# Altium PCB roach2.PcbDoc (part 30 of 39) (continued)
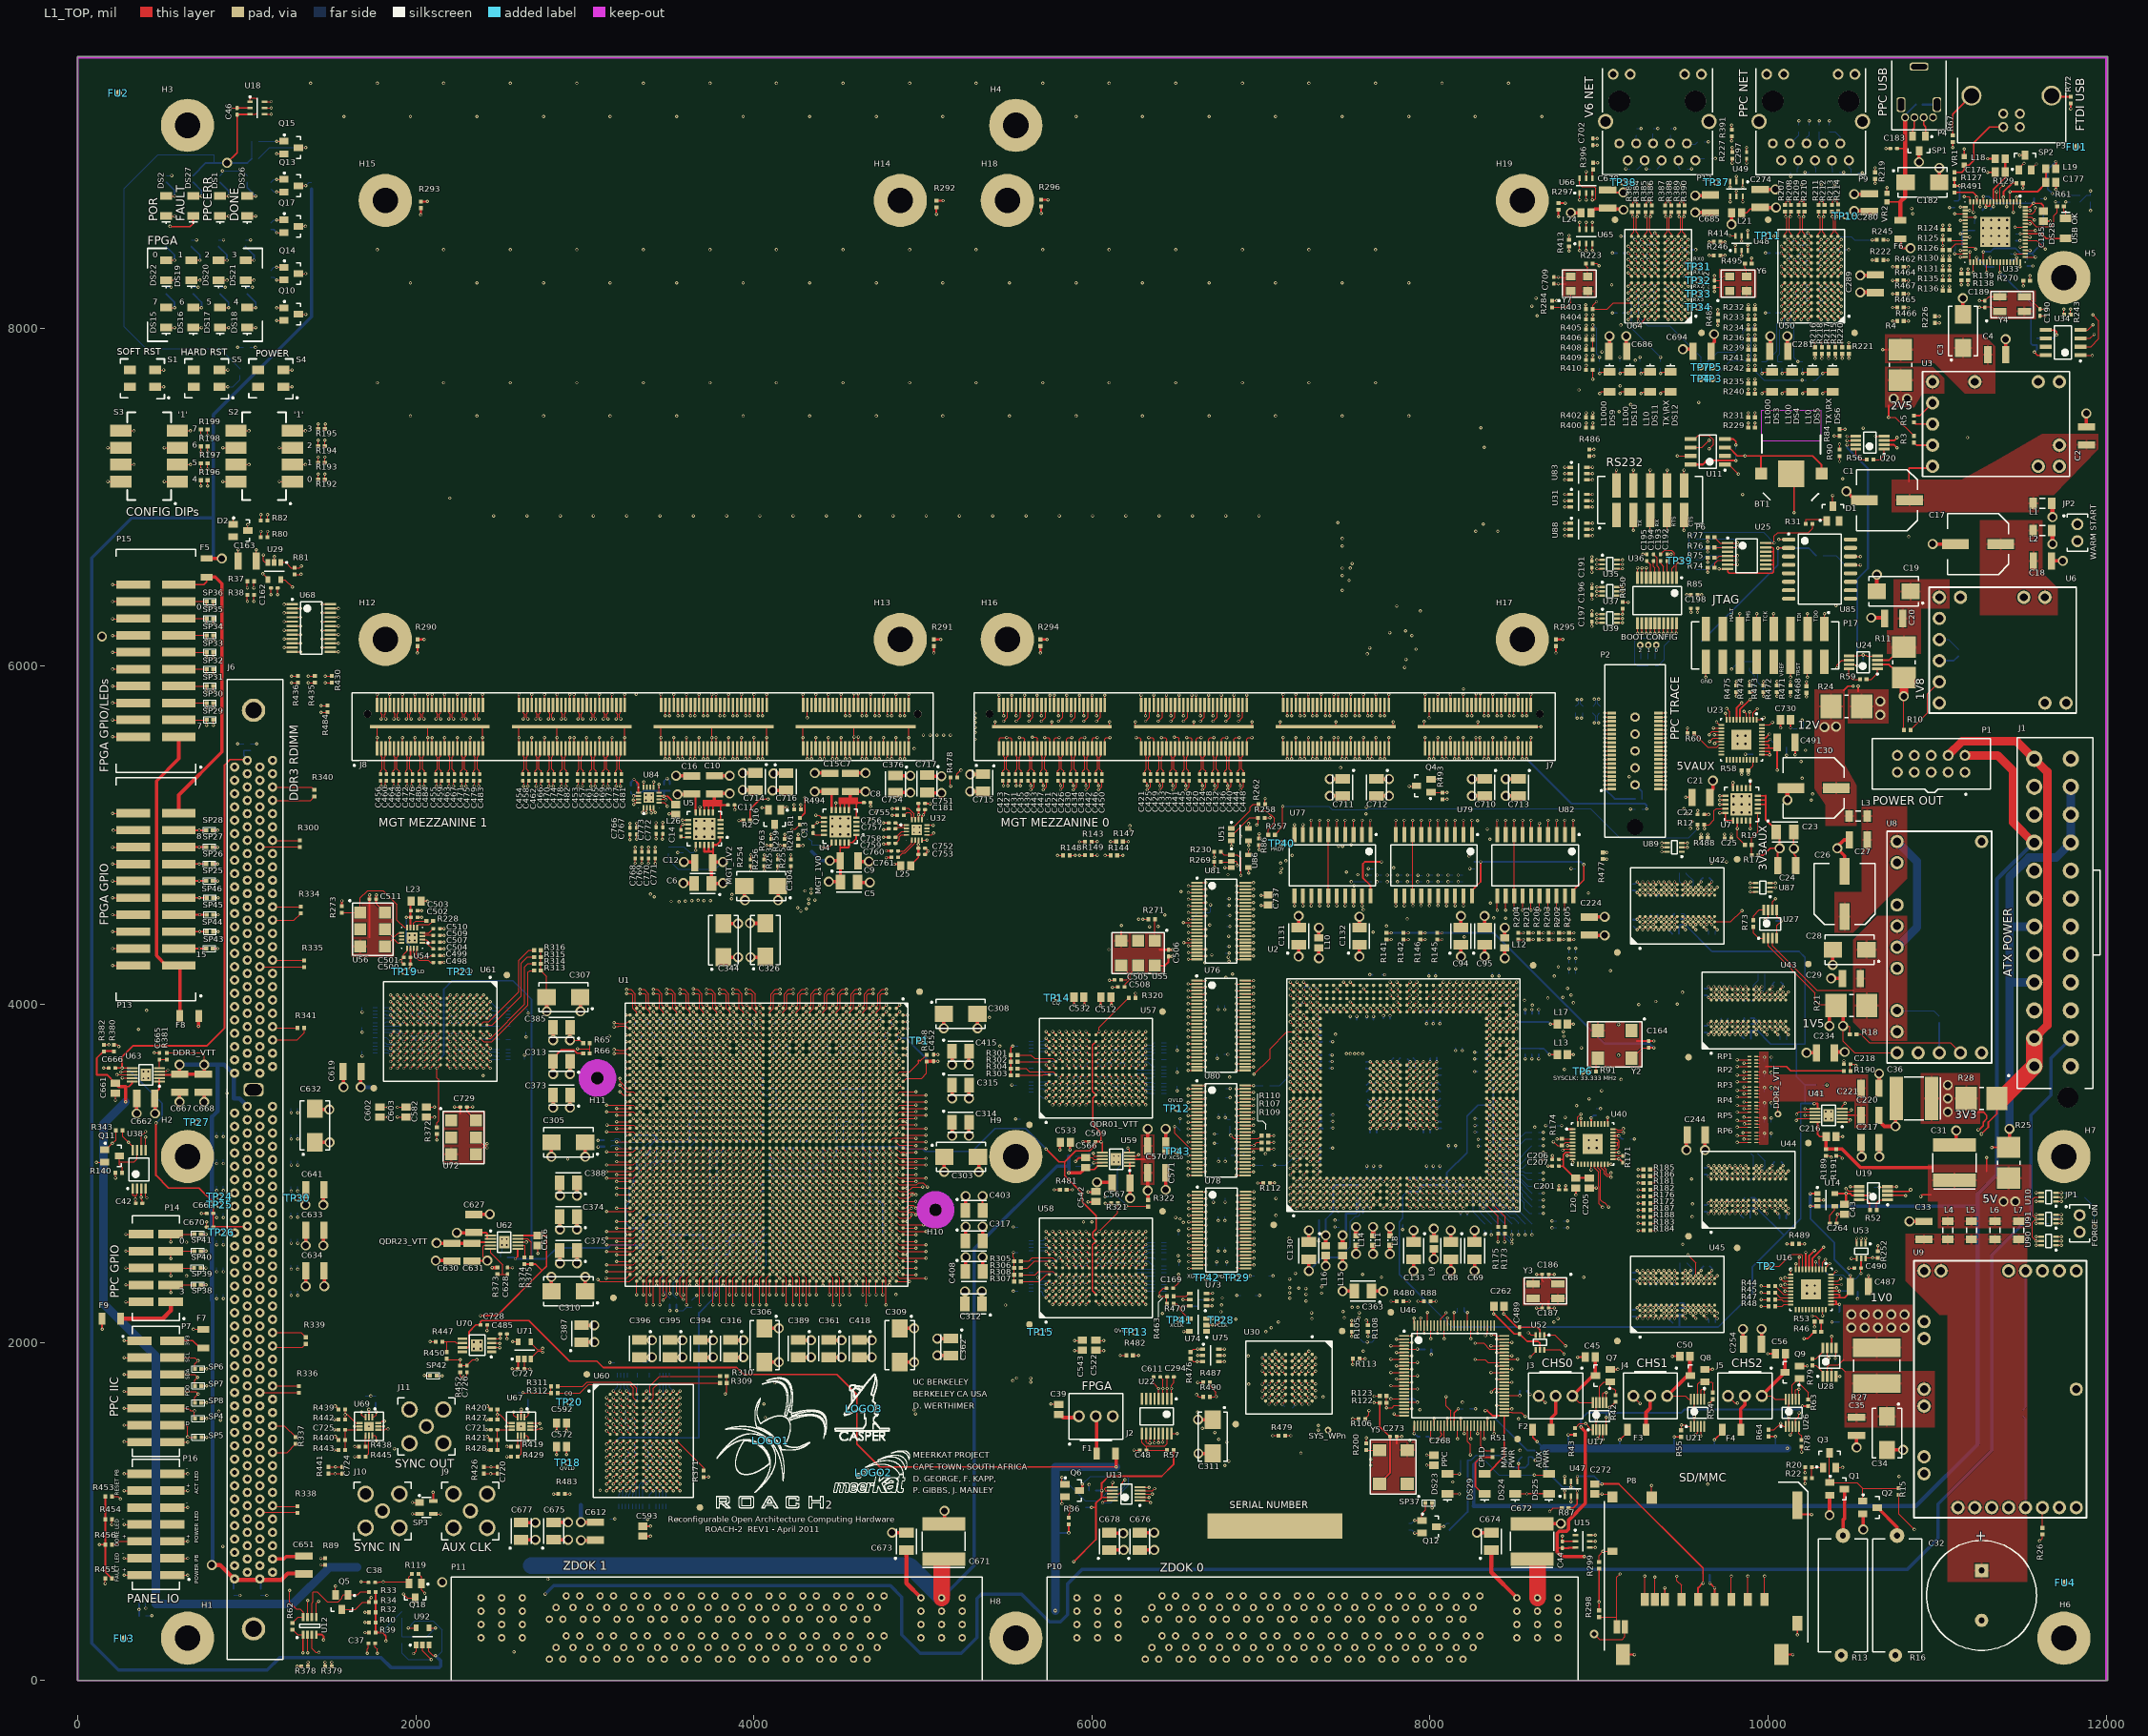
[diagram p0: L1_TOP view]
## Nets (pads, with @x,y where several pads share a name; then routed paths per layer and width w, separated by ;. In a path a pad name is that pad's centre, name@x,y a point inside that pad or via, vN(x,y) a via of type N, cw(c..) or ccw(c..) an arc to the next point about the centre after c; other vN are vias at no path point) (continued)
QDR2.Q0: U1.AA40 U60.P11 | length 1541.9
  L1_TOP w5: U60.P11@3543.31,1181.1 v1(3562.99,1161.42) ; U1.AA40@4093.59,2439.41 v1(4113.28,2419.72)
  L8_R w3.8: v1(3562.99,1161.42) 3902.56,1500.99 3902.56,1690.56 4112.56,1900.56 4112.56,2419.01 v1(4113.28,2419.72)
QDR2.Q1: U1.AE33 U60.M10 | length 1995.9
  L1_TOP w5: U60.M10@3503.94,1259.84 v1(3523.62,1240.16) ; v1(3916.42,2695.31) U1.AE33@3936.11,2715
  L9_R w3.8: v1(3523.62,1240.16) 3544,1260.53 3544,1284 3555.13,1295.13 3673.13,1295.13 3870,1492 4026.06,1492 4096,1561.94 4096,1674 3973.42,1796.58 3973.42,2027.67 3936,2065.09 3936,2236 3951.71,2251.71 3951.71,2288.39 3932.02,2308.08 3932.02,2679.71 v1(3916.42,2695.31)
QDR2.Q2: U1.AE32 U60.L11 | length 2003.4
  L1_TOP w5: U60.L11@3543.31,1299.21 v1(3562.99,1279.53) ; v1(3916.42,2734.68) U1.AE32@3936.11,2754.37
  L9_R w3.8: v1(3562.99,1279.53) 3701.53,1279.53 3868,1446 4024,1446 4126,1548 4126,1696 3981.22,1840.78 3981.22,2030.9 3971.39,2040.72 3971.39,2229.34 3959.51,2241.22 3959.51,2291.62 3940.19,2310.94 3940.19,2710.91 v1(3916.42,2734.68)
QDR2.Q3: U1.AC40 U60.K11 | length 1402.5
  L1_TOP w5: U60.K11@3543.31,1338.58 v1(3562.99,1318.9) ; v1(3995.16,2419.72) U1.AC40@4014.85,2439.41
  L8_R w3.8: v1(3562.99,1318.9) 3578.9,1318.9 3788.99,1528.99 3788.99,1729.99 3873.99,1814.99 3873.99,1931.99 3906.99,1964.99 3974.99,1964.99 3983.99,1973.99 3983.99,2211.98 3979.56,2216.41 3979.56,2229.34 3999.99,2249.76 3999.99,2318.75 3991.45,2327.29 3991.45,2346.68 3999.99,2355.22 3999.99,2407.47 3991.45,2416.01 v1(3995.16,2419.72)
QDR2.Q4: U1.AC34 U60.J10 | length 1620.6
  L1_TOP w5: U60.J10@3503.94,1377.95 v1(3523.62,1358.27) ; v1(3995.16,2655.94) U1.AC34@4014.85,2675.63
  L8_R w3.8: v1(3523.62,1358.27) 3539.35,1373.99 3594.99,1373.99 3760.99,1539.99 3760.99,1559.99 ; 3760.99,1561.99 3760.99,1559.99 ; v1(3995.16,2655.94) 3971.76,2632.54 3971.76,2300.27 3959.88,2288.39 3959.88,2272.65 3968.99,2263.54 3968.99,2248.99 3958.47,2238.47 3949.33,2238.47 3940.19,2229.34 3940.19,2216.41 3949.33,2207.27 3958.71,2207.27 3962.99,2202.99 3962.99,2096.99 3835.99,1969.99 3835.99,1827.99 3760.99,1752.99 3760.99,1559.99
QDR2.Q5: U1.AE42 U60.F11 | length 1107.7
  L1_TOP w5: U60.F11@3543.31,1496.06 v1(3562.99,1515.75) ; v2(3936.11,2281.93) U1.AE42@3936.11,2360.67
  L8_R w3.8: v1(3562.99,1515.75) 3695.75,1515.75 3727.99,1547.99 3727.99,1557.99 ; 3727.99,1559.99 3727.99,1557.99 ; v2(3936.11,2281.93) 3936.11,2267.11 3912.99,2243.99 3912.99,2128.99 3796.99,2012.99 3795.99,2012.99 3795.99,1844.99 3727.99,1776.99 3727.99,1557.99
QDR2.Q6: U1.AD33 U60.E11 | length 1483.3
  L1_TOP w5: U60.E11@3543.31,1535.43 v1(3562.99,1555.12) ; v1(3955.79,2695.31) U1.AD33@3975.48,2715
  L8_R w3.8: v1(3562.99,1555.12) 3697.12,1555.12 3704.99,1562.99 3704.99,2022.99 3777.99,2095.99 3829.99,2095.99 3897.39,2163.39 3897.39,2250.45 3912.71,2265.77 3912.71,2291.62 3932.39,2311.3 3932.39,2615.24 3957.5,2640.34 3962.26,2640.34 3971.39,2649.48 3971.39,2662.41 3955.79,2678.01 v1(3955.79,2695.31)
QDR2.Q7: U1.AE38 U60.C10 | length 1168.9
  L1_TOP w5: U60.C10@3503.94,1614.17 v1(3523.62,1633.86) ; v1(3916.42,2498.46) U1.AE38@3936.11,2518.15
  L8_R w3.8: v1(3523.62,1633.86) 3544.75,1654.99 3642.99,1654.99 3656.99,1668.99 3656.99,1822.99 ; 3656.99,1824.99 3656.99,1822.99 ; v1(3916.42,2498.46) 3916.42,2481.15 3900.82,2465.55 3900.82,2308.07 3881.14,2288.39 3881.14,2261.17 3853.65,2233.68 3853.65,2222.36 3853.28,2221.99 3853.28,2167.28 3822.99,2136.99 3777.99,2136.99 3656.99,2015.99 3656.99,1822.99
QDR2.Q8: U1.AE37 U60.B11 | length 1107.2
  L1_TOP w5: U60.B11@3543.31,1653.54 v1(3562.99,1673.23) ; v1(3916.42,2537.83) U1.AE37@3936.11,2557.52
  L8_R w3.8: v1(3562.99,1673.23) 3614.23,1673.23 3637.99,1696.99 3637.99,2008.99 3784.99,2155.99 3802.99,2155.99 3822.08,2175.08 3822.08,2274.08 3893.02,2345.02 3893.02,2514.43 v1(3916.42,2537.83)
QDR2.Q9: U1.AB42 U60.P9 | length 1531.3
  L1_TOP w5: U60.P9@3464.57,1181.1 v1(3484.25,1161.42) ; v2(4054.22,2281.93) U1.AB42@4054.22,2360.67
  L8_R w3.8: v1(3484.25,1161.42) 3501.56,1161.42 3525.33,1185.19 3569.46,1185.19 3578.59,1194.32 3578.59,1207.59 3880.99,1509.99 3880.99,1697.99 4059.2,1876.2 4059.2,1877.2 4092.99,1910.99 4092.99,2243.16 v2(4054.22,2281.93)
QDR2.Q10: U1.AB37 U60.N9 | length 1695.8
  L1_TOP w5: U60.N9@3464.57,1220.47 v1(3484.25,1200.79) ; v1(4034.53,2537.83) U1.AB37@4054.22,2557.52
  L8_R w3.8: v1(3484.25,1200.79) 3501.56,1200.79 3517.16,1216.39 3564.39,1216.39 3863.99,1515.99 3863.99,1708.99 4060.99,1905.99 4060.99,2212.46 4057.81,2215.65 4057.81,2228.75 4060.99,2231.94 4060.99,2251.99 4038.62,2274.36 4038.62,2358.62 4053.99,2373.99 4053.99,2518.38 v1(4034.53,2537.83)
QDR2.Q11: U1.AC41 U60.L10 | length 1405.1
  L1_TOP w5: U60.L10@3503.94,1299.21 v1(3523.62,1279.53) ; v2(3995.16,2222.87) 3995.16,2380.35 U1.AC41@4014.85,2400.04
  L8_R w3.8: v1(3523.62,1279.53) 3542.09,1297.99 3575.99,1297.99 3800,1522 3800,1721 3895.99,1816.99 3895.99,1922.99 3923.99,1950.99 3980.99,1950.99 3995.16,1965.16 v2(3995.16,2222.87)
QDR2.Q12: U1.AC38 U60.K9 | length 1538.5
  L1_TOP w5: U60.K9@3464.57,1338.58 v1(3484.25,1318.9) ; v1(3995.16,2498.46) U1.AC38@4014.85,2518.15
  L8_R w3.8: v1(3484.25,1318.9) 3501.35,1335.99 3579.99,1335.99 3774.99,1530.99 3774.99,1737.99 3851.99,1814.99 3851.99,1935.99 3893.56,1977.56 3952.67,1977.56 3973.42,1998.32 3973.42,2211.53 3971.76,2213.18 3971.76,2232.57 3991.08,2251.88 3991.08,2288.39 3979.56,2299.91 3979.56,2465.55 3995.16,2481.15 v1(3995.16,2498.46)
QDR2.Q13: U1.AD40 U60.G9 | length 1306.3
  L1_TOP w5: U60.G9@3464.57,1456.69 v1(3484.25,1476.38) ; v1(3955.79,2419.72) U1.AD40@3975.48,2439.41
  L8_R w3.8: v1(3484.25,1476.38) 3501.87,1493.99 3692.99,1493.99 3742.99,1543.99 3742.99,1767.99 3816.99,1841.99 3816.99,2000.99 3926.99,2110.99 3926.99,2240.99 3952.08,2266.08 3952.08,2416.01 v1(3955.79,2419.72)
QDR2.Q14: U1.AD38 U60.F10 | length 1348.2
  L1_TOP w5: U60.F10@3503.94,1496.06 v1(3523.62,1515.75) ; v1(3955.79,2498.46) U1.AD38@3975.48,2518.15
  L8_R w3.8: v1(3523.62,1515.75) 3539.86,1531.99 3696.99,1531.99 3714.99,1549.99 3714.99,2020.09 3775.89,2080.99 3841.99,2080.99 3905.19,2144.19 3905.19,2247.22 3920.51,2262.54 3920.51,2288.39 3940.19,2308.07 3940.19,2465.55 3955.79,2481.15 v1(3955.79,2498.46)
QDR2.Q15: U1.AF41 U60.E9 | length 1180
  L1_TOP w5: U60.E9@3464.57,1535.43 v1(3484.25,1555.12) ; v2(3877.05,2222.87) 3877.05,2380.35 U1.AF41@3896.74,2400.04
  L8_R w3.8: v1(3484.25,1555.12) 3503.12,1573.99 3682.99,1573.99 3689.99,1580.99 3689.99,2020.99 3781.99,2112.99 3834.99,2112.99 3877.05,2155.05 v2(3877.05,2222.87)
QDR2.Q16: U1.AF42 U60.D9 | length 1081
  L1_TOP w5: U60.D9@3464.57,1574.8 v1(3484.25,1594.49) ; v2(3896.74,2281.93) U1.AF42@3896.74,2360.67
  L8_R w3.8: v1(3484.25,1594.49) 3501.75,1611.99 3649.99,1611.99 3671.99,1633.99 3671.99,2016.99 3776.99,2121.99 3826.99,2121.99 3861.45,2156.45 3861.45,2230.45 3896.74,2265.74 v2(3896.74,2281.93)
QDR2.Q17: U1.AE35 U60.B10 | length 1196.9
  L1_TOP w5: U60.B10@3503.94,1653.54 v1(3523.62,1673.23) ; v1(3916.42,2616.57) U1.AE35@3936.11,2636.26
  L8_R w3.8: v1(3523.62,1673.23) 3544.38,1693.99 3597.99,1693.99 3622.99,1718.99 3622.99,2006.99 3782.71,2166.71 3782.71,2250.71 3861.45,2329.45 3861.45,2504.92 3870.59,2514.06 3877.06,2514.06 3900.82,2537.82 3900.82,2583.67 3916.42,2599.27 v1(3916.42,2616.57)
QDR2.Q18: U1.AR38 U60.B2 | length 1027.3
  L1_TOP w5: v1(3169.29,1673.23) U60.B2@3188.98,1653.54 ; v1(3522.72,2498.46) U1.AR38@3542.41,2518.15
  L8_R w3.8: v1(3169.29,1673.23) 3169.29,1690.54 3184.89,1706.14 3184.89,1798.89 3362.56,1976.56 3362.56,2048.56 3389.01,2075.01 3389.01,2229.34 3428.79,2269.12 3428.79,2296.43 3491.52,2359.16 3491.52,2393.28 3507.12,2408.88 3507.12,2465.55 3522.72,2481.15 v1(3522.72,2498.46)
QDR2.Q19: U1.AJ21 U60.D3 | length 2025.3
  L1_TOP w5: v1(3208.66,1594.49) U60.D3@3228.35,1574.8 ; v1(3758.94,3207.13) U1.AJ21@3778.63,3187.44
  L8_R w3.8: v1(3208.66,1594.49) 3208.66,1611.8 3224.26,1627.4 3224.26,1740.26 3344,1860 3424,1860 3458,1894 3458,2136 3487.44,2165.44 3487.44,2181.44 3487.39,2181.49 3487.39,2194.46 3487.44,2194.5 3487.44,2315.44 3546.49,2374.49 3546.49,3134.85 3555.63,3143.98 3695.8,3143.98 v1(3758.94,3207.13)
QDR2.Q20: U1.AP37 U60.E3 | length 1241.6
  L1_TOP w5: v1(3208.66,1555.12) U60.E3@3228.35,1535.43 ; v1(3562.09,2537.83) U1.AP37@3581.78,2557.52
  L8_R w3.8: v1(3208.66,1555.12) 3208.66,1572.43 3232.06,1595.83 3232.06,1725.06 3353,1846 3428,1846 3470,1888 3470,2124 3522.99,2176.99 3522.99,2330.99 3577.69,2385.69 3577.69,2522.23 v1(3562.09,2537.83)
QDR2.Q21: U1.AT37 U60.F2 | length 1233.7
  L1_TOP w5: v1(3169.29,1515.75) U60.F2@3188.98,1496.06 ; v1(3483.35,2537.83) U1.AT37@3503.04,2557.52
  L8_R w3.8: v1(3169.29,1515.75) 3153.69,1531.35 3153.69,1721.69 3165.99,1733.99 3165.99,1798.99 3350.99,1983.99 3350.99,2099.99 3363.99,2112.99 3363.99,2167.99 3380.99,2184.99 3380.99,2235.99 3420.99,2275.99 3420.99,2299.99 3483.72,2362.72 3483.72,2396.51 3498.95,2411.74 3498.95,2504.92 3483.35,2520.52 v1(3483.35,2537.83)
QDR2.Q22: U1.AN36 U60.G3 | length 1368.2
  L1_TOP w5: v1(3208.66,1476.38) U60.G3@3228.35,1456.69 ; v1(3601.46,2577.2) U1.AN36@3621.15,2596.89
  L8_R w3.8: v1(3208.66,1476.38) 3225.99,1493.71 3225.99,1563.99 3240.89,1578.89 3254.49,1578.89 3271.8,1596.2 3271.8,1741.8 3364,1834 3434,1834 3480,1880 3480,2096 3563.99,2179.99 3563.99,2360.96 3585.86,2382.83 3585.86,2561.6 v1(3601.46,2577.2)
QDR2.Q23: U1.AV23 U60.K3 | length 2016.8
  L1_TOP w5: v1(3208.66,1318.9) U60.K3@3228.35,1338.58 ; v1(3404.61,3089.01) U1.AV23@3424.3,3108.7
  L8_R w3.8: v1(3208.66,1318.9) 3184.89,1342.67 3184.89,1364.73 3167.58,1382.04 3162.83,1382.04 3145.52,1399.34 3145.52,1404.1 3136.38,1413.24 3114.32,1413.24 3094.99,1432.56 3094.99,1791.69 3277.99,1974.69 3277.99,2139.99 3311.99,2173.99 3311.99,2261.99 3321.99,2271.99 3321.99,2306.99 3389.01,2374.01 3389.01,3073.41 v1(3404.61,3089.01)
QDR2.Q24: U1.AU22 U60.L2 | length 2187.2
  L1_TOP w5: v1(3169.29,1279.53) U60.L2@3188.98,1299.21 ; v1(3443.98,3128.38) U1.AU22@3463.67,3148.07
  L8_R w3.8: v1(3169.29,1279.53) 3161.12,1279.53 3145.52,1295.13 3115.86,1295.13 3038.99,1371.99 3038.99,1821.99 3215.99,1998.99 3215.99,2261.99 3227.53,2273.53 3227.53,2973.37 3319.41,3065.24 3324.16,3065.24 3349.64,3090.72 3349.64,3095.48 3358.78,3104.61 3420.21,3104.61 v1(3443.98,3128.38)
QDR2.Q25: U1.BB24 U60.N3 | length 2173
  L1_TOP w5: v2(3188.08,3069.33) U1.BB24@3266.82,3069.33 ; v1(3208.66,1200.79) U60.N3@3228.35,1220.47
  L8_R w3.8: v2(3188.08,3069.33) 3188.08,3034.08 3166.99,3012.99 3166.99,2007.99 3002.99,1843.99 3002.99,1361.99 3114.32,1250.66 3114.32,1233.69 3127.02,1220.99 3188.45,1220.99 v1(3208.66,1200.79)
QDR2.Q26: U1.BA39 U60.P3 | length 1764.7
  L1_TOP w5: v2(3129.02,2459.09) 3286.5,2459.09 U1.BA39@3306.19,2478.78 ; v1(3208.66,1161.42) U60.P3@3228.35,1181.1
  L8_R w3.8: v2(3129.02,2459.09) 3144.62,2443.49 3144.62,2026.99 2975.99,1858.36 2975.99,1350.99 3080.99,1245.99 3080.99,1177.99 3116.99,1141.99 3189.24,1141.99 v1(3208.66,1161.42)
QDR2.Q27: U1.AU37 U60.B1 | length 1063.3
  L1_TOP w5: v1(3129.92,1673.23) U60.B1@3149.61,1653.54 ; v1(3443.98,2537.83) U1.AU37@3463.67,2557.52
  L8_R w3.8: v1(3129.92,1673.23) 3129.92,1798.92 3315.99,1984.99 3315.99,2122.99 3332.99,2139.99 3332.99,2223.72 3369.33,2260.05 3369.33,2304.08 3459.58,2394.33 3459.58,2504.92 3443.98,2520.52 v1(3443.98,2537.83)
QDR2.Q28: U1.AN21 U60.C2 | length 1888.9
  L1_TOP w5: v1(3169.29,1633.86) U60.C2@3188.98,1614.17 ; v1(3601.46,3207.13) U1.AN21@3621.15,3187.44
  L8_R w3.8: v1(3169.29,1633.86) 3169.29,1651.17 3192.69,1674.57 3192.69,1726.69 3205.99,1739.99 3205.99,1763.99 3312,1870 3416,1870 3442.99,1896.99 3442.99,2146.99 3459.99,2163.99 3459.99,2222.99 3459.58,2223.4 3459.58,2229.34 3446.99,2241.93 3446.99,2301.99 3499.32,2354.32 3499.32,2390.04 3513.03,2403.75 3528.81,2403.75 3538.69,2413.63 3538.69,3144.36 v1(3601.46,3207.13)
QDR2.Q29: U1.AT36 U60.E1 | length 1228.1
  L1_TOP w5: v1(3129.92,1555.12) U60.E1@3149.61,1535.43 ; v1(3483.35,2577.2) U1.AT36@3503.04,2596.89
  L8_R w3.8: v1(3129.92,1555.12) 3129.92,1572.43 3145.52,1588.03 3145.52,1793.52 3334.99,1982.99 3334.99,2108.99 3345.99,2119.99 3345.99,2225.69 3358.78,2238.47 3365.47,2238.47 3413.19,2286.19 3413.19,2303.22 3449.93,2339.96 3449.93,2349.05 3467.75,2366.88 3467.75,2544.3 3483.35,2559.9 v1(3483.35,2577.2)
QDR2.Q30: U1.AV39 U60.F1 | length 1147
  L1_TOP w5: v1(3129.92,1515.75) U60.F1@3149.61,1496.06 ; v1(3404.61,2459.09) U1.AV39@3424.3,2478.78
  L8_R w3.8: v1(3129.92,1515.75) 3110.99,1534.68 3110.99,1793.18 3296.99,1979.18 3296.99,2131.99 3321.99,2156.99 3321.99,2236.48 3329.96,2244.45 3329.96,2288.39 3339.1,2297.53 3347.53,2297.53 3420.99,2370.99 3420.99,2442.71 v1(3404.61,2459.09)
QDR2.Q31: U1.AY39 U60.J2 | length 1350.2
  L1_TOP w5: v1(3169.29,1358.27) U60.J2@3188.98,1377.95 ; v1(3325.87,2459.09) U1.AY39@3345.56,2478.78
  L8_R w3.8: v1(3169.29,1358.27) 3167.72,1358.27 3147.99,1377.99 3111.99,1377.99 3077.99,1411.99 3077.99,1833.99 3255.99,2011.99 3255.99,2144.99 3302.1,2191.1 3302.1,2229.34 3279.99,2251.45 3279.99,2299.99 3341.47,2361.47 3341.47,2426.18 3325.87,2441.78 v1(3325.87,2459.09)
QDR2.Q32: U1.AY24 U60.K1 | length 1930.1
  L1_TOP w5: v1(3129.92,1318.9) U60.K1@3149.61,1338.58 ; v1(3325.87,3049.64) U1.AY24@3345.56,3069.33
  L8_R w3.8: 3056.99,1787.99 3056.99,1785.99 ; v1(3129.92,1318.9) 3056.99,1391.82 3056.99,1785.99 ; v1(3325.87,3049.64) 3310.27,3034.04 3310.27,2353.27 3270.99,2313.99 3270.99,2229.43 3270.9,2229.34 3270.9,2216.32 3270.99,2216.23 3270.99,2185.99 3232.99,2147.99 3232.99,2001.99 3056.99,1825.99 3056.99,1785.99
QDR2.Q33: U1.AW22 U60.L1 | length 2114.8
  L1_TOP w5: v1(3129.92,1279.53) U60.L1@3149.61,1299.21 ; v1(3365.24,3128.38) U1.AW22@3384.93,3148.07
  L8_R w3.8: v1(3129.92,1279.53) 3116.46,1279.53 3023.99,1371.99 3023.99,1822.99 3198.99,1997.99 3198.99,2279.99 3217.99,2298.99 3217.99,2941.99 ; 3217.99,2939.99 3217.99,2941.99 ; v1(3365.24,3128.38) 3347.93,3128.38 3332.33,3112.78 3323.78,3112.78 3305.99,3094.99 3305.99,3069.99 3217.99,2981.99 3217.99,2941.99
QDR2.Q34: U1.AR22 U60.M2 | length 2381.1
  L1_TOP w5: v1(3169.29,1240.16) U60.M2@3188.98,1259.84 ; v1(3522.72,3128.38) U1.AR22@3542.41,3148.07
  L8_R w3.8: v1(3169.29,1240.16) 3147.45,1261.99 3116.99,1261.99 3013.99,1364.99 3013.99,1833.99 3183.99,2003.99 3183.99,2301.99 3203.99,2321.99 3203.99,3033.99 3313.98,3143.98 3489.81,3143.98 3505.41,3128.38 v1(3522.72,3128.38)
QDR2.Q35: U1.BA24 U60.P1 | length 2236.8
  L1_TOP w5: v2(3129.02,3049.64) 3286.5,3049.64 U1.BA24@3306.19,3069.33 ; v1(3129.92,1161.42) U60.P1@3149.61,1181.1
  L8_R w3.8: v2(3129.02,3049.64) 3153.99,3024.68 3153.99,2016.99 2990.99,1853.99 2990.99,1356.99 3100.99,1246.99 3100.99,1190.34 v1(3129.92,1161.42)
QDR2.RDN: RP24.4 U1.AL42 U60.A8 | length 1961
  L1_TOP w5: U60.A8@3425.2,1692.91 v1(3444.88,1712.6) ; v2(3699.89,2281.93) U1.AL42@3699.89,2360.67
  L14_S w3.8: v1(3444.88,1712.6) 3444.88,1757.99 ; 3466.52,1941.52 3461.99,1936.99 ; 3475.57,1950.57 3461.99,1936.99 ; v2(3699.89,2281.93) 3716.99,2264.83 3716.99,2101.99 3613.42,1998.42 3613.42,1998.32 3592.67,1977.56 3502.56,1977.56 3461.99,1936.99 ; 3373.94,1770.79 cw(c3380.34,1770.79) 3380.34,1777.19 ; 3373.94,1770.79 cw(c3380.34,1770.79) 3380.34,1777.19 ; 3373.94,1770.79 ccw(c3380.34,1770.79) 3380.34,1764.39 ; 3373.94,1770.79 ccw(c3380.34,1770.79) 3380.34,1764.39 ; 3373.94,1796.39 ccw(c3380.34,1796.39) 3380.34,1789.99 ; 3373.94,1796.39 cw(c3380.34,1796.39) 3380.34,1802.79 ; 3373.94,1796.39 cw(c3380.34,1796.39) 3380.34,1802.79 ; 3373.94,1796.39 ccw(c3380.34,1796.39) 3380.34,1789.99 ; 3373.94,1821.99 cw(c3380.34,1821.99) 3380.34,1828.39 ; 3373.94,1821.99 cw(c3380.34,1821.99) 3380.34,1828.39 ; 3373.94,1821.99 ccw(c3380.34,1821.99) 3380.34,1815.59 ; 3373.94,1821.99 ccw(c3380.34,1821.99) 3380.34,1815.59 ; 3380.34,1764.39 3438.48,1764.39 ; 3380.34,1777.19 3470.05,1777.19 ; 3380.34,1789.99 3470.05,1789.99 ; 3380.34,1802.79 3470.09,1802.79 ; 3380.34,1815.59 3470.09,1815.59 ; 3380.34,1828.39 3438.48,1828.39 ; 3429.37,1880.59 cw(c3435.77,1880.59) 3435.77,1886.99 ; 3429.37,1880.59 cw(c3435.77,1880.59) 3435.77,1886.99 ; 3429.37,1880.59 ccw(c3435.77,1880.59) 3435.77,1874.19 ; 3429.37,1880.59 ccw(c3435.77,1880.59) 3435.77,1874.19 ; 3435.77,1874.19 3455.59,1874.19 ; 3435.77,1886.99 3492.19,1886.99 ; 3438.48,1764.39 cw(c3438.48,1757.99) 3444.88,1757.99 ; 3438.48,1764.39 cw(c3438.48,1757.99) 3444.88,1757.99 ; 3438.48,1828.39 ccw(c3438.48,1834.79) 3444.88,1834.79 ; 3438.48,1828.39 ccw(c3438.48,1834.79) 3444.88,1834.79 ; 3444.79,1906.19 cw(c3451.19,1906.19) 3451.19,1912.59 ; 3444.79,1906.19 cw(c3451.19,1906.19) 3451.19,1912.59 ; 3444.79,1906.19 ccw(c3451.19,1906.19) 3451.19,1899.79 ; 3444.79,1906.19 ccw(c3451.19,1906.19) 3451.19,1899.79 ; 3444.88,1834.79 3444.88,1837.88 3461.99,1854.99 3461.99,1867.79 ; 3451.19,1899.79 3492.19,1899.79 ; 3451.19,1912.59 3535.59,1912.59 ; 3455.59,1874.19 cw(c3455.59,1867.79) 3461.99,1867.79 ; 3455.59,1874.19 cw(c3455.59,1867.79) 3461.99,1867.79 ; 3461.99,1931.79 ccw(c3468.39,1931.79) 3468.39,1925.39 ; 3461.99,1931.79 ccw(c3468.39,1931.79) 3468.39,1925.39 ; 3461.99,1931.79 3461.99,1936.99 ; 3468.39,1925.39 3535.59,1925.39 ; 3470.05,1777.19 ccw(c3470.05,1783.59) 3476.45,1783.59 ; 3470.05,1777.19 ccw(c3470.05,1783.59) 3476.45,1783.59 ; 3470.05,1789.99 cw(c3470.05,1783.59) 3476.45,1783.59 ; 3470.05,1789.99 cw(c3470.05,1783.59) 3476.45,1783.59 ; 3470.09,1802.79 ccw(c3470.09,1809.19) 3476.49,1809.19 ; 3470.09,1802.79 ccw(c3470.09,1809.19) 3476.49,1809.19 ; 3470.09,1815.59 cw(c3470.09,1809.19) 3476.49,1809.19 ; 3470.09,1815.59 cw(c3470.09,1809.19) 3476.49,1809.19 ; 3492.19,1886.99 ccw(c3492.19,1893.39) 3498.59,1893.39 ; 3492.19,1886.99 ccw(c3492.19,1893.39) 3498.59,1893.39 ; 3492.19,1899.79 cw(c3492.19,1893.39) 3498.59,1893.39 ; 3492.19,1899.79 cw(c3492.19,1893.39) 3498.59,1893.39 ; 3535.59,1912.59 ccw(c3535.59,1918.99) 3541.99,1918.99 ; 3535.59,1912.59 ccw(c3535.59,1918.99) 3541.99,1918.99 ; 3535.59,1925.39 cw(c3535.59,1918.99) 3541.99,1918.99 ; 3535.59,1925.39 cw(c3535.59,1918.99) 3541.99,1918.99
  L16_BOT w5: RP24.4@3443.46,1753.31 3443.46,1714.02 v1(3444.88,1712.6)
QDR2.WRN: RP19.2 U1.AM41 U60.A4 | length 1050.6
  L1_TOP w5: v1(3248.03,1712.6) U60.A4@3267.72,1692.91 ; v1(3640.83,2380.35) U1.AM41@3660.52,2400.04
  L9_R w3.8: v1(3248.03,1712.6) 3319.43,1784 3520,1784 3622,1886 3622,2230 3638.49,2246.49 3638.49,2378.01 v1(3640.83,2380.35)
  L16_BOT w5: RP19.2@3232.83,1753.31 3232.83,1727.8 v1(3248.03,1712.6)
QDR2_TCK: U60.R2 U77.3 | length 10141.2
  L1_TOP w5: v1(3169.29,1122.05) U60.R2@3188.98,1141.73 ; U77.3@7547.99,5004.09 v2(7547.99,5088.42)
  L9_R w3.8: v1(3169.29,1122.05) 3142.37,1095.12 3142.37,472.45 3162.64,452.17 3162.64,329.34 3302.41,189.58 3302.41,183.47 3324.88,160.99 5445.99,160.99 5487.61,119.38 6119.38,119.38 6266.99,266.99 6266.99,554.99 6554.99,842.99 ; 6558.99,846.99 6554.99,842.99 ; v2(7572.99,4766.99) 7538.99,4766.99 7508.99,4736.99 6828.99,4736.99 6794,4702 6794,4651 6791.39,4648.39 6791.39,4199.61 6809,4182 6809,3721.13 6819.67,3710.46 6819.67,3619.67 6785,3585 6785,3433 6810,3408 6810,3266 6791,3247 6791,3128 6810,3109 6810,3034 6799,3023 6799,2847 6813.59,2832.41 6813.59,2425.59 6767.93,2379.93 6767.93,2303.94 6794.79,2277.08 6794.79,2000.18 6719.39,1924.78 6719.39,1672.53 6728.53,1663.39 6741.45,1663.39 6764.99,1639.85 6764.99,1472.19 6735.39,1442.59 6735.39,1420.53 6764.99,1390.93 6764.99,1052.99 6554.99,842.99
  L12_S w3.8: v2(7547.99,5088.42) 7572.99,5063.42 v2(7572.99,4766.99)
QDR2_TDI: R482.2 U60.R11 | length 3083.8
  L1_TOP w5: U60.R11@3543.31,1141.73 v1(3562.99,1122.05) ; v2@6169.34,1922.99 R482.2@6201.34,1922.99
  L8_R w3.8: v1(3562.99,1122.05) 3606.05,1122.05 3672.99,1188.99 3672.99,1226.99 4043.39,1597.39 4043.39,1709.28 4135.1,1800.99 5464.99,1800.99 5586.99,1922.99 v2(6167.34,1922.99)
QDR2_TDO: R483.1 U60.R1 | length 283
  L1_TOP w5: R483.1@2882.68,1102.99 v2(2910.99,1102.99) ; v1(3129.92,1122.05) U60.R1@3149.61,1141.73
  L12_S w3.8: v2(2910.99,1102.99) 3110.87,1102.99 v1(3129.92,1122.05)
QDR2_TMS: U60.R10 U82.14 | length 8282.7
  L1_TOP w5: U60.R10@3503.94,1141.73 v1(3523.62,1122.05) ; v2(8547.99,4557.56) U82.14@8547.99,4641.89
  L8_R w3.8: v1(3523.62,1122.05) 3542.57,1140.99 3574.99,1140.99 3644.99,1210.99 3644.99,1222.99 4022.99,1600.99 4022.99,1732.99 4106.99,1816.99 5432.99,1816.99 5570.99,1954.99 5806.99,1954.99 5818.99,1966.99 6524.99,1966.99 6697.39,2139.39 6697.39,2147.45 6706.53,2156.59 6714.59,2156.59 6736.99,2178.99 6736.99,2278.99 6830.99,2372.99 6830.99,3212.93 6836.59,3218.53 6836.59,4162.53 6846.59,4172.53 6846.59,4194.59 6831.59,4209.59 6831.59,4461.59 6853.08,4483.08 6890.22,4483.08 6926.99,4519.84 6926.99,4722.99 6962.99,4758.99 7084.99,4758.99 7210.99,4632.99 7376.25,4632.99 7441.53,4567.71 7454.45,4567.71 7519.74,4632.99 8472.56,4632.99 v2(8547.99,4557.56)
QDR3.A0: RP22.1 U1.AK19 U61.B4 | length 1993.1
  L1_TOP w5: U61.B4@2381.89,3917.32 v1(2401.58,3937.01) ; v1(3719.57,3285.87) 3738.94,3266.5 U1.AK19@3739.26,3266.18
  L5_S w3.8: v1(2401.58,3937.01) 2423.56,3958.99 2578.99,3958.99 2680.99,3856.99 2955.99,3856.99 3006.99,3805.99 3006.99,3731.99 3083.99,3654.99 3216.99,3654.99 3227.7,3644.28 3262.61,3644.28 3270.9,3635.99 3270.9,3633.74 3280.04,3624.6 3692.39,3624.6 3703.97,3613.01 3703.97,3318.77 3719.57,3303.17 v1(3719.57,3285.87)
  L16_BOT w5: v1(2401.58,3937.01) 2423.59,3914.99 2459.99,3914.99 2468.46,3923.46 RP22.1@2493.31,3923.46
QDR3.A1: RP26.3 U1.AT21 U61.B8 | length 1868.4
  L1_TOP w5: U61.B8@2381.89,3759.84 v1(2401.58,3740.16) ; v1(3483.35,3207.13) 3502.72,3187.76 U1.AT21@3503.04,3187.44
  L5_S w3.8: v1(2401.58,3740.16) 2420.41,3758.99 2480.99,3758.99 2700.99,3538.99 2786.99,3538.99 2799.99,3525.99 2826.99,3525.99 2833.08,3519.91 ; v1(3483.35,3207.13) 3483.35,3224.43 3467.75,3240.03 3467.75,3344.23 3462.98,3349.01 3206.05,3349.01 3194.54,3360.52 3147,3360.52 3135.49,3349.01 3117.98,3349.01 3099.99,3366.99 2985.99,3366.99 2882.86,3470.13 cw(c2885.97,3473.24) 2882.86,3476.35 2883.12,3476.61 ccw(c2880.01,3479.72) 2883.12,3482.83 ccw(c2880.01,3479.72) 2876.9,3482.83 2873.52,3479.46 2848.35,3454.29 cw(c2845.24,3457.4) 2842.13,3454.29 ; 2817.24,3479.18 cw(c2820.35,3482.29) 2817.24,3485.4 ; 2817.24,3479.18 cw(c2820.35,3482.29) 2817.24,3485.4 ; 2817.24,3479.18 ccw(c2820.35,3482.29) 2823.46,3479.18 2848.63,3504.35 2852.01,3507.72 cw(c2855.12,3504.61) 2858.23,3507.72 cw(c2855.12,3504.61) 2858.23,3501.5 2854.86,3498.13 2829.68,3472.95 ccw(c2832.79,3469.84) 2829.68,3466.73 ; 2817.24,3485.4 2842.41,3510.57 2845.79,3513.95 ccw(c2842.67,3517.06) 2845.79,3520.17 ccw(c2842.67,3517.06) 2839.56,3520.17 2839.3,3519.91 ; 2829.68,3466.73 ccw(c2832.79,3469.84) 2835.91,3466.73 ; 2829.68,3466.73 ccw(c2832.79,3469.84) 2835.91,3466.73 ; 2833.08,3519.91 ccw(c2836.19,3523.02) 2839.3,3519.91 ; 2833.08,3519.91 ccw(c2836.19,3523.02) 2839.3,3519.91 ; 2835.91,3466.73 2861.08,3491.91 2864.45,3495.28 cw(c2867.56,3492.17) 2870.68,3495.28 cw(c2867.56,3492.17) 2870.68,3489.06 2867.3,3485.68 2842.13,3460.51 ; 2842.13,3454.29 cw(c2845.24,3457.4) 2842.13,3460.51 ; 2842.13,3454.29 cw(c2845.24,3457.4) 2842.13,3460.51
  L16_BOT w5: v1(2401.58,3740.16) 2423.74,3717.99 2479.99,3717.99 2485.15,3712.83 RP26.3@2493.31,3712.83
QDR3.A2: R283.1 U1.AL19 U61.C5 | length 2013.3
  L1_TOP w5: U61.C5@2342.52,3877.95 v1(2362.21,3897.64) ; v1(3680.2,3285.87) U1.AL19@3699.89,3266.18
  L5_S w3.8: v1(2362.21,3897.64) 2385.98,3921.41 2534.61,3921.41 2538.19,3924.99 2570.19,3924.99 2670.19,3824.99 2847.56,3824.99 2877.56,3794.99 2877.56,3773.32 2997.99,3652.89 2997.99,3522.01 3034,3486 3110,3486 3130.49,3506.49 3657.5,3506.49 3664.6,3499.38 3664.6,3318.77 3680.2,3303.17 v1(3680.2,3285.87)
  L16_BOT w5: v1(2362.21,3897.64) 2386.85,3872.99 R283.1@2493.31,3872.99
QDR3.A3: R281.1 U1.AP20 U61.C7 | length 1842.7
  L1_TOP w5: U61.C7@2342.52,3799.21 v1(2362.21,3779.53) ; v1(3562.09,3246.5) 3581.46,3227.13 U1.AP20@3581.78,3226.81
  L5_S w3.8: v1(2362.21,3779.53) 2385.98,3803.3 2454.3,3803.3 2471.99,3820.99 2536.99,3820.99 2611.99,3745.99 2654.99,3745.99 2720.99,3679.99 2847.99,3679.99 2866.99,3660.99 2866.99,3555.99 2999.99,3422.99 3216.99,3422.99 3233.26,3439.26 3249.72,3439.26 3269.41,3419.58 3568.56,3419.58 3577.69,3410.44 3577.69,3262.1 v1(3562.09,3246.5)
  L16_BOT w5: v1(2362.21,3779.53) 2378.41,3795.73 2490.57,3795.73 R281.1@2493.31,3792.99
QDR3.A4: RP25.2 U1.AM19 U61.N5 | length 2429.5
  L1_TOP w5: v1(1929.13,3897.64) U61.N5@1948.82,3877.95 ; v1(3640.83,3285.87) 3660.2,3266.5 U1.AM19@3660.52,3266.18
  L5_S w3.8: v1(1929.13,3897.64) 1937.78,3888.99 1937.99,3888.99 1977.99,3848.99 2133.99,3848.99 2174.99,3807.99 2174.99,3582.99 2527.09,3230.9 3135.49,3230.9 3135.58,3230.99 3207.99,3230.99 3247.46,3191.53 3647.3,3191.53 3656.43,3200.66 3656.43,3252.96 3640.83,3268.56 v1(3640.83,3285.87)
  L16_BOT w5: RP25.2@1812.68,3872.83 1904.33,3872.83 v1(1929.13,3897.64)
QDR3.A5: RP25.3 U1.AM21 U61.N6 | length 2431.6
  L1_TOP w5: v1(1929.13,3818.9) U61.N6@1948.82,3838.58 ; v1(3640.83,3207.13) U1.AM21@3660.2,3187.76
  L8_R w3.8: v1(1929.13,3818.9) 1948.24,3838 2362,3838 2384,3816 2384,3592 v2(2398,3578)
  L9_R w3.8: v2(2398,3578) 2398,3372 2542,3228 3072,3228 3072.2,3227.8 3094.22,3227.8 3101.87,3220.16 3227.73,3220.16 3256.36,3191.53 3617.06,3191.53 3632.66,3207.13 v1(3640.83,3207.13)
  L16_BOT w5: RP25.3@1812.68,3853.15 1894.88,3853.15 v1(1929.13,3818.9)
QDR3.A6: RP25.4 U1.AP22 U61.N7 | length 2257.1
  L1_TOP w5: v1(1929.13,3779.53) U61.N7@1948.82,3799.21 ; v1(3562.09,3128.38) U1.AP22@3581.78,3148.07
  L5_S w3.8: v1@1929.13,3782.13 v1(1929.13,3779.53) 1947.67,3760.99 2015.99,3760.99 2030.99,3745.99 2030.99,3600.99 2209.99,3421.99 2209.99,3390.25 2225.25,3374.99 2258.99,3374.99 2446.99,3186.99 3039.99,3186.99 3063.49,3163.49 3063.49,3149.99 3072.63,3140.86 3085.56,3140.86 3098.99,3154.29 3098.99,3161.99 3109.99,3172.99 3180.46,3172.99 3181.62,3171.84 3194.54,3171.84 3206.39,3159.99 3530.49,3159.99 v1(3562.09,3128.38)
  L16_BOT w5: RP25.4@1812.68,3833.46 1814.31,3835.1 1896.47,3835.1 1905.96,3825.61 1905.96,3802.7 v1(1929.13,3779.53)
QDR3.A7: RP21.2 U1.BA20 U61.P4 | length 1995.5
  L1_TOP w5: v1(1889.76,3937.01) U61.P4@1909.45,3917.32 ; v2(3129.02,3246.5) 3286.5,3246.5 3305.87,3227.13 U1.BA20@3306.19,3226.81
  L5_S w3.8: v1(1889.76,3937.01) 1912.78,3913.99 2163.99,3913.99 2187.99,3889.99 2187.99,3600.99 2542.49,3246.5 v2(3129.02,3246.5)
  L16_BOT w5: RP21.2@1812.68,3962.83 1832.15,3962.83 1836.99,3957.99 1868.78,3957.99 v1(1889.76,3937.01)
QDR3.A8: RP21.4 U1.AL21 U61.P5 | length 2404.7
  L1_TOP w5: v1(1889.76,3897.64) U61.P5@1909.45,3877.95 ; v1(3680.2,3207.13) 3699.57,3187.76 U1.AL21@3699.89,3187.44
  L5_S w3.8: v1(1889.76,3897.64) 1949.41,3837.99 2128.95,3837.99 2161.99,3804.95 2161.99,3536.99 2197.99,3500.99 ; 2195.99,3502.99 2197.99,3500.99 ; v1(3680.2,3207.13) 3680.2,3204.2 3678.2,3204.2 3652.99,3178.99 3238.99,3178.99 3198.99,3218.99 2479.99,3218.99 2197.99,3500.99
  L16_BOT w5: RP21.4@1812.68,3923.46 1815.33,3920.81 1866.59,3920.81 v1(1889.76,3897.64)
QDR3.A9: RP20.1 U1.BB22 U61.P7 | length 1856.6
  L1_TOP w5: v1(1889.76,3779.53) U61.P7@1909.45,3799.21 ; v2(3188.08,3148.07) U1.BB22@3266.82,3148.07
  L5_S w3.8: v1(1889.76,3779.53) 1889.76,3776.22 1905.99,3759.99 1935.99,3759.99 1948.99,3746.99 1948.99,3619.49 1974.49,3593.99 2006.99,3593.99 2190.99,3409.99 2190.99,3388.99 2231.99,3347.99 2259.29,3347.99 2416.99,3190.29 2428.45,3190.29 2446.75,3171.99 3030.99,3171.99 3055.69,3147.29 3055.69,3146.76 3070.47,3131.99 3093.99,3131.99 3110.07,3148.07 v2(3188.08,3148.07)
  L16_BOT w5: RP20.1@1812.68,3772.52 1820.46,3772.52 1829.66,3763.33 1873.56,3763.33 v1(1889.76,3779.53)
QDR3.A10: RP20.3 U1.BA22 U61.P8 | length 1925.5
  L1_TOP w5: v1(1889.76,3740.16) U61.P8@1909.45,3759.84 ; v2(3129.02,3128.38) 3286.5,3128.38 U1.BA22@3306.19,3148.07
  L5_S w3.8: v1(1889.76,3740.16) 1910.99,3718.93 1910.99,3607.99 2045.99,3472.99 2101.99,3472.99 ; 2100.99,3473.99 2101.99,3472.99 ; v2(3129.02,3128.38) 3124.83,3124.19 3060.79,3124.19 3027.99,3156.99 2457.99,3156.99 2430.99,3129.99 2410.99,3129.99 2382.99,3157.99 2382.99,3194.99 2241.99,3335.99 2207.99,3335.99 2172.99,3370.99 2172.99,3401.99 2101.99,3472.99
  L16_BOT w5: RP20.3@1812.68,3733.15 1828.83,3733.15 1838.03,3723.96 1873.56,3723.96 v1(1889.76,3740.16)